# Altium PCB Copy of PCB2.PcbDoc
Units mil, origin at the board's own origin, x right, y up, seen from the top; angles counter-clockwise.
Board outline 4685.04 x 3464.57 mil, 2 copper layers (Top Layer, Bottom Layer); 50 components, 32 nets, 169 pads, 0 vias.
Unrouted connection lines stored in the file: 1.
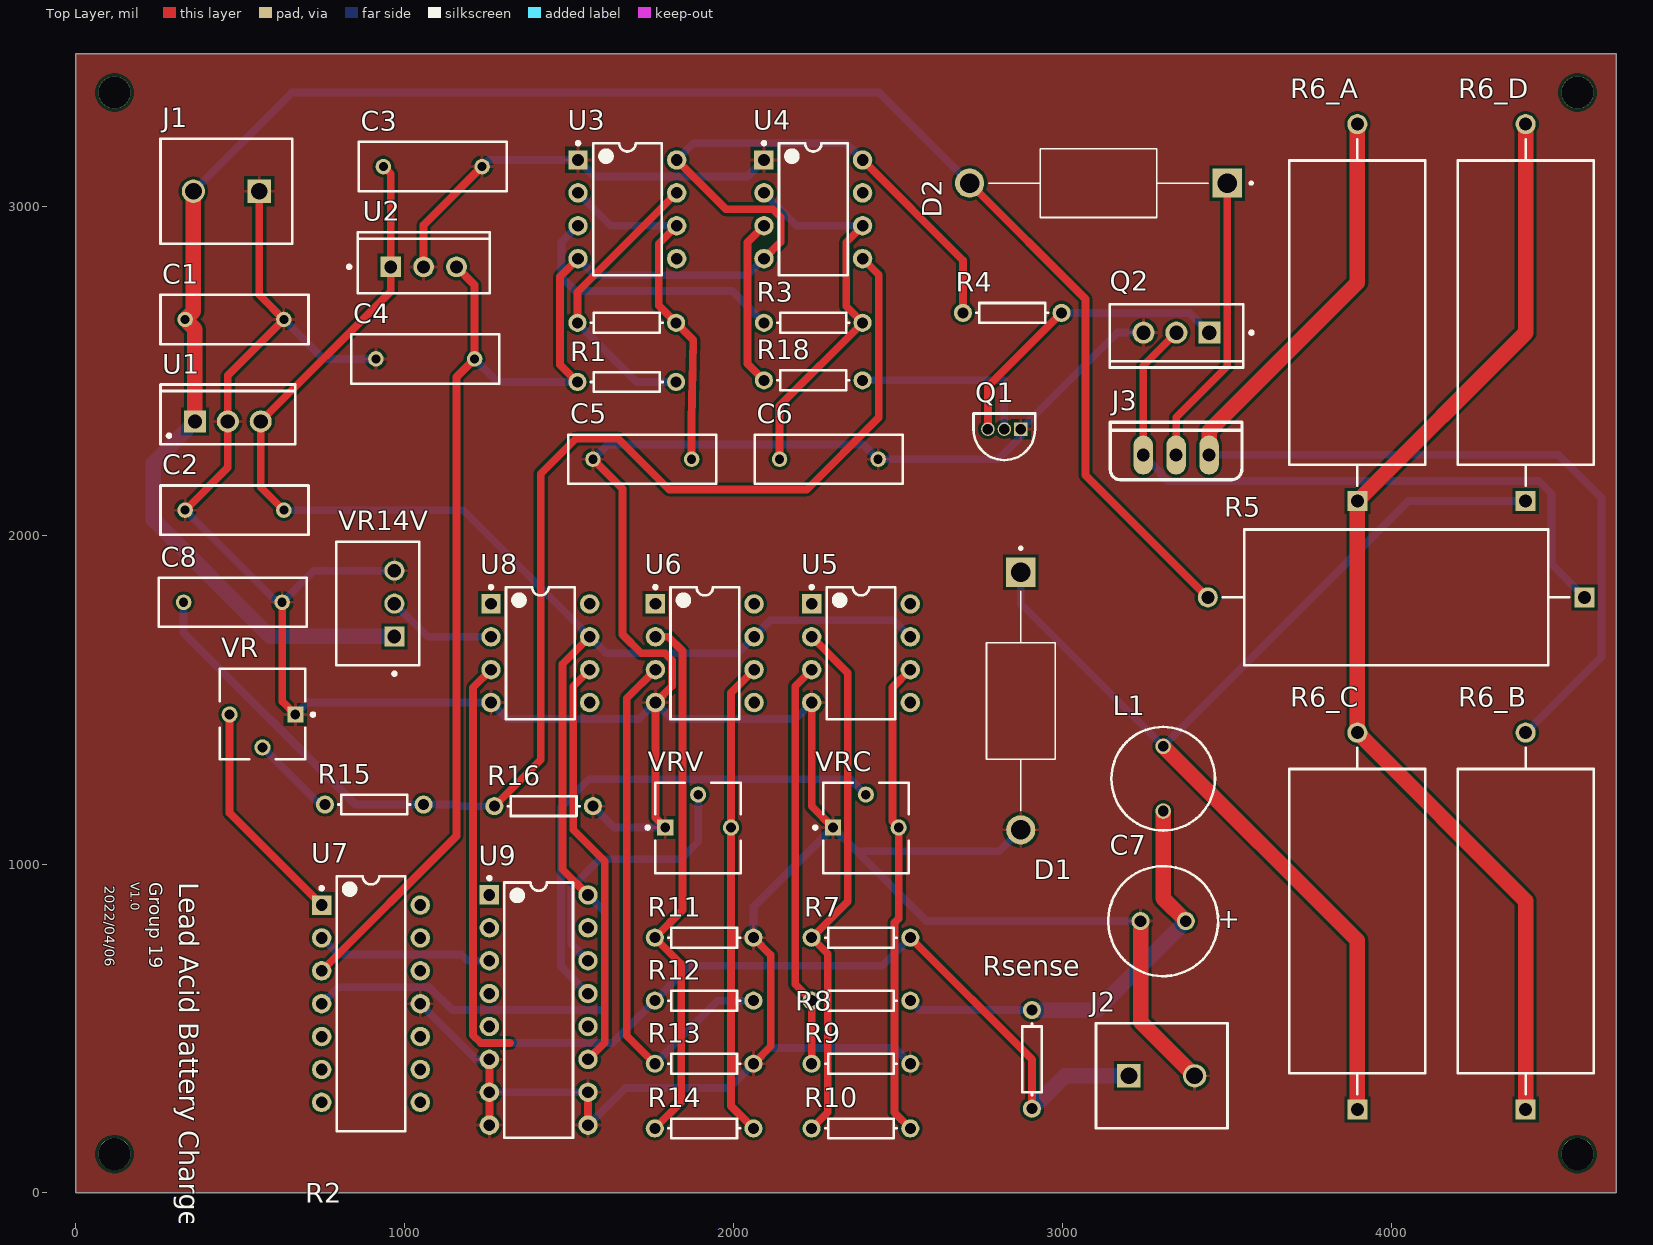
[diagram p0: Top Layer view]
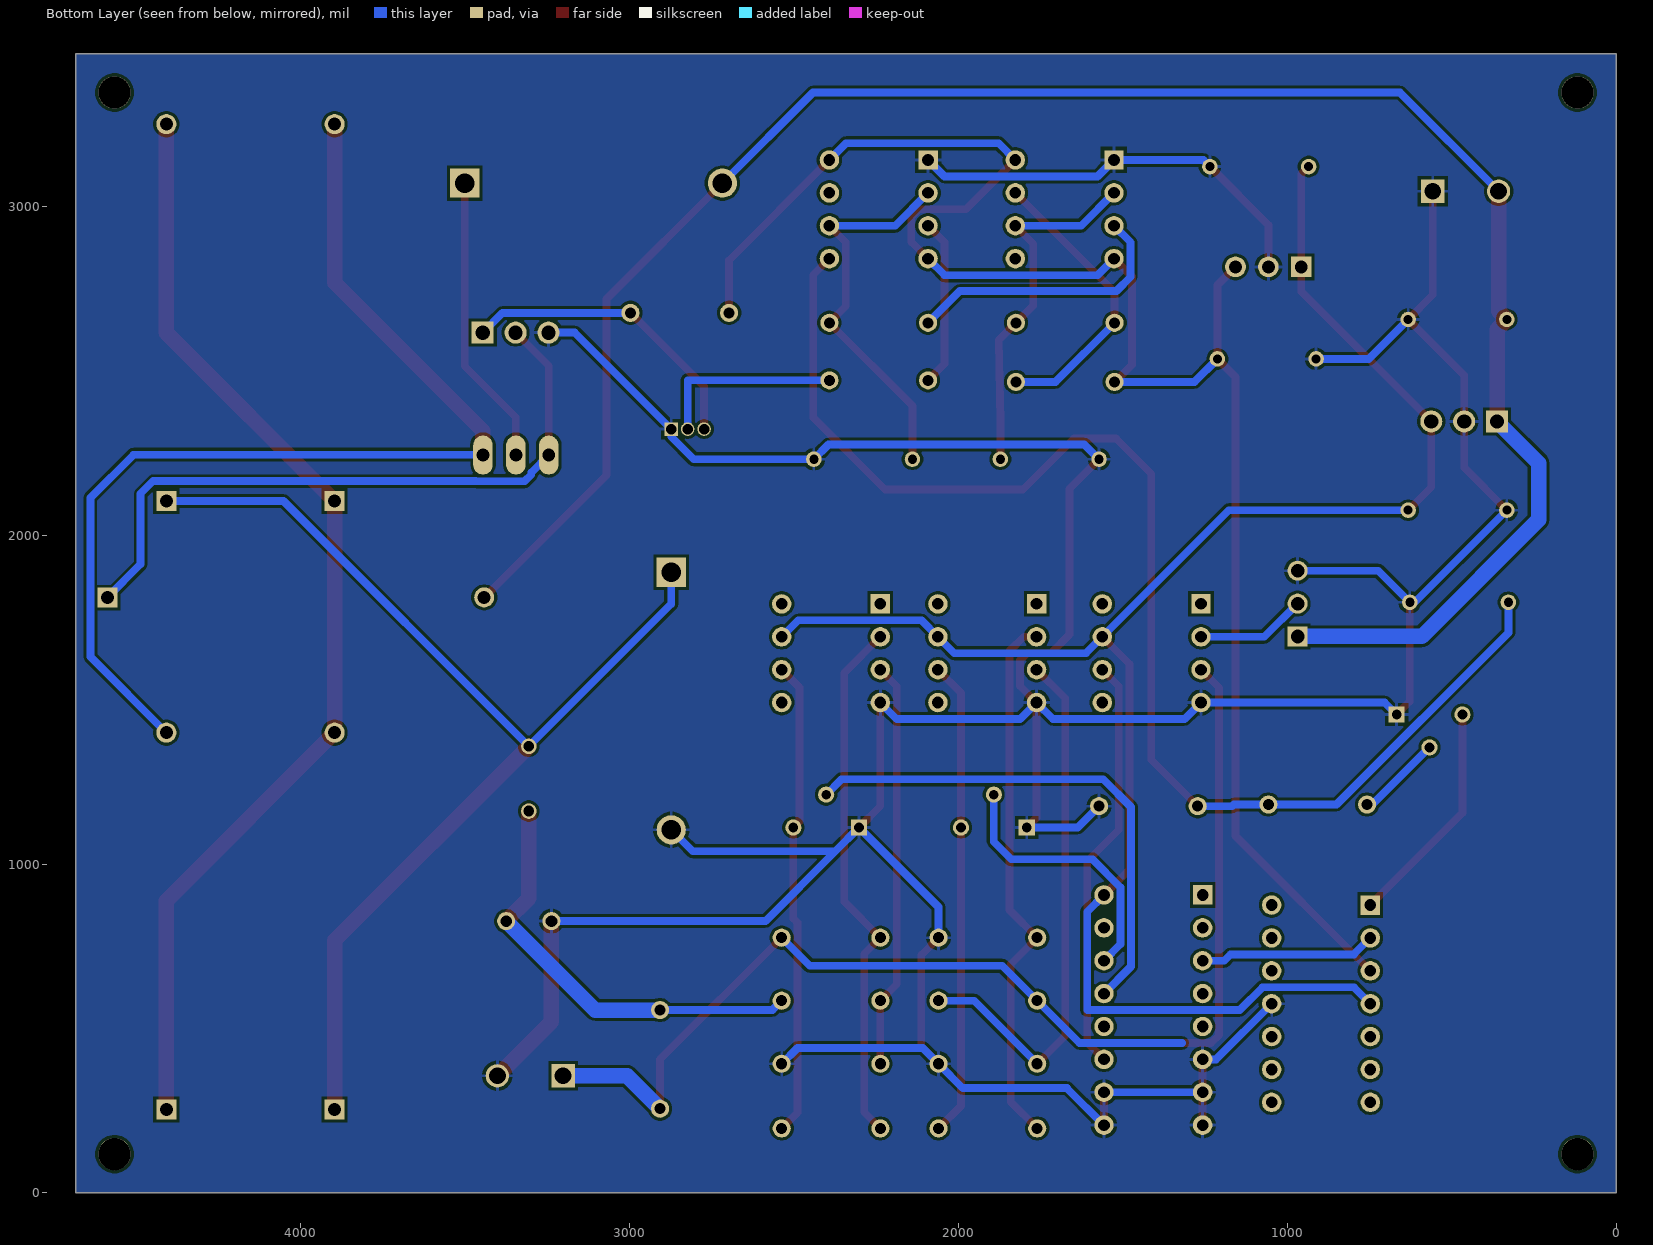
[diagram p1: Bottom Layer view, seen from below]

## Layer stack, top to bottom
Top Solder: solder mask 0.4, Solder Resist, Dk 3.5
Top Layer: signal copper 1.4
Dielectric 1: dielectric 12.6, FR-4, Dk 4.8
Bottom Layer: signal copper 1.4
Bottom Solder: solder mask 0.4, Solder Resist, Dk 3.5

## Board outline
0,0 0,3464.57 4685.04,3464.57 4685.04,0

## Design rules (kind name [scope] priority, off if disabled: settings)
Clearance [All] p1: gap=8.66 ignorepadtopadclearanceinfootprint=FALSE
Height [All] p1: minheight=0 maxheight=1259.84 prefheight=500
MinimumSolderMaskSliver [All] p1: minsoldermaskwidth=0.39
PolygonConnect [All] p1: connectstyle=Relief reliefconductorwidth=10 reliefentries=4 polygonreliefangle="90 Angle" airgapwidth=10
RoutingVias [All] p1: holewidth=28 width=50 viastyle="Through Hole" minholewidth=28 minwidth=50 maxholewidth=28 maxwidth=50
SilkToSolderMaskClearance [IsPad] p1: minsilkscreentomaskgap=3.94 clearancetoexposedcopper=TRUE
SolderMaskExpansion [All] p1: expansion=4 istentingtop=FALSE
Width [All] p1: maxlimit=47.24 minlimit=10 preferedwidth=23.62
27 further rules are at their usual default settings.

## Components (designator, comment, footprint, x,y, rotation, side; value= is the part's Value field where it differs from the comment)
C1 "Cap" RAD-0.3 483.03,2656.3 r180 top value=0.33uF
C2 "Cap" RAD-0.3 483.03,2076.3 r0 top value=0.1uF
C3 "Cap" RAD-0.3 1085.75,3121.3 r180 top value=0.33uF
C4 "Cap" RAD-0.3 1062.99,2536.3 r0 top value=0.1uF
C5 "Cap" RAD-0.3 1723.03,2231.3 r0 top value=220pF
C6 "Cap" RAD-0.3 2290.41,2231.3 r180 top value=22pF
C7 "220u" PNSC-ECA-1VM221-2 3307.09,826.77 r180 top
C8 "Cap" RAD-0.3 478.03,1796.3 r180 top value=22uF
D1 "1N5404" DIOAD1990W125L900D530 2874.02,1496.06 r270 top
D2 "1N5404" DIOAD1990W125L900D530 3110.24,3070.87 r180 top
J1 "1729128" PHOE-1729128-2_V 458.03,3046.3 r180 top
J2 "1729128" PHOE-1729128-2_V 3302.72,356.3 r0 top
J3 "IRFZ48N" TO-220 3346.46,2244.09 r0 top
L1 "744741101" WE-TI-LS 3307.09,1259.84 r270 top
Q1 "2N3904BU" FAIR-TO-92 2874.02,2322.83 r180 top
Q2 "TIP122" ONSC-TO-220-3-221A-09 3347.2,2616.3 r270 top
R1 "Res1" AXIAL-0.3 1675.65,2466.3 r180 top value=1K
R2 "Res1" AXIAL-0.3 1675.65,2646.3 r180 top value=15K
R3 "Res1" AXIAL-0.3 2243.03,2646.3 r180 top value=15K
R4 "Res1" AXIAL-0.3 2848.03,2676.3 r180 top value=100
R5 "100" FP-SQP500-MFG 4015.75,1811.02 r180 top value=1.2Ω
R6_A "10" FP-SQP500-MFG 3897.64,2677.17 r90 top value=1.2Ω
R6_B "10" FP-SQP500-MFG 4409.45,826.77 r90 top value=1.2Ω
R6_C "10" FP-SQP500-MFG 3897.64,826.77 r90 top value=1.2Ω
R6_D "10" FP-SQP500-MFG 4409.45,2677.17 r90 top value=1.2Ω
R7 "Res1" AXIAL-0.3 2388.03,776.3 r180 top value=2K
R8 "Res1" AXIAL-0.3 2388.03,584.63 r180 top value=2K
R9 "Res1" AXIAL-0.3 2388.03,392.97 r180 top value=100K
R10 "Res1" AXIAL-0.3 2388.03,196.3 r180 top value=100K
R11 "Res1" AXIAL-0.3 1911.06,776.3 r180 top value=5.6K
R12 "Res1" AXIAL-0.3 1911.06,584.63 r0 top value=5.6K
R13 "Res1" AXIAL-0.3 1911.06,392.97 r180 top value=2K
R14 "Res1" AXIAL-0.3 1911.06,196.3 r180 top value=2K
R15 "Res1" AXIAL-0.3 908.03,1181.3 r180 top value=100
R16 "Res1" AXIAL-0.3 1423.03,1176.3 r0 top value=1k
R18 "Res1" AXIAL-0.3 2243.03,2471.3 r180 top value=1K
Rsense "Res1" AXIAL-0.3 2908.03,406.3 r270 top value=0.1
U1 "L7812CV" TO220 462.76,2346.3 r0 top
U2 "LM7805CT" FAIR-TO-220-3 1058.03,2816.3 r90 top
U3 "NE555P" P0008A 1677.62,2991.3 r0 top
U4 "NE555P" P0008A 2243.03,2991.3 r0 top
U5 "LM741CN/NOPB" P0008A 2388.03,1641.3 r0 top
U6 "LM741CN/NOPB" P0008A 1913.03,1641.3 r0 top
U7 "TL074ACN" N0014A 898.03,575.59 r0 top
U8 "LM741CN/NOPB" P0008A 1413.03,1641.3 r0 top
U9 "CD4051BE" N0016A 1408.03,556.3 r0 top
VR "3362P-1-103LF" BOUR-3362P 568.03,1456.3 r180 top
VR14V "3299W-1-103LF" BOUR-3299W-3_V 918.54,1792.32 r90 top
VRC "3362P-1-103LF" BOUR-3362P 2402.8,1109.92 r0 top
VRV "3362P-1-103LF" BOUR-3362P 1892.89,1109.92 r0 top

## Footprints (in the part's own frame and the unit in brackets; to place one, negate y for a bottom-side part, rotate by r counter-clockwise, add the part's x,y. Pads: shape width x height; smd on the part's side, far side on the other; paste and mask are expansions set on the pad)
AXIAL-0.3 [mm] "Axial Device, Thru-Hole; 2 Leads; 0.3 in Pin Spacing"
  round 1.4 hole 0.85: 1(-3.81,0) 2(3.81,0)
  silkscreen extent -2.77,-0.76 2.77,0.76
BOUR-3299W-3_V [mm] "TH, 3-Leads, Body 9.53x6.4mm, Pitch 2.54mm"
  rect 1.55x1.55 hole 1.05: 1(-2.54,-1.29)
  round 1.55 hole 1.05: 2(0,-1.29) 3(2.54,-1.29)
  silkscreen extent -5.54,-3.2 4.76,3.2, body extent -4.78,-3.5 4.78,1.33, height 11.55
BOUR-3362P [mm] "THD, 3-Leads, Body 6.6x6.99mm, Pitch 2.54mm"
  rect 1.25x1.25 hole 0.75: 1(-2.54,0.035)
  round 1.25 hole 0.75: 2(0,2.575) 3(2.54,0.035)
  silkscreen extent -4.03,-3.49 3.3,3.5, body extent -3.3,-3.15 3.3,3.84, height 2.35
DIOAD1990W125L900D530 [mm]
  round 2.25 hole 1.5: A(9.95,0)
  rect 2.25x2.25 hole 1.5: C(-9.95,0)
  silkscreen extent -11.9,-2.65 8.47,2.65, body extent -8.43,-2.8 8.43,2.8, height 5.6
FAIR-TO-92 [mm] "TO, 3-Leads, Body Dia 4.79mm, Pitch 1.27mm"
  rect 1.05x1.05 hole 0.8 mask+0.05: 1(0,0)
  round 1.05 hole 0.8 mask+0.05: 2(1.27,0) 3(2.54,0)
  silkscreen extent -1.11,-1.21 3.65,2.4, body extent -0.77,-0.94 3.31,2.11, height 5.08
FAIR-TO-220-3 [mm] "FM, 3-Leads, Body 10.2x4.7mm, Pitch 2.54mm"
  rect 1.6x1.6 hole 1: 1(0,2.54)
  round 1.6 hole 1: 2(0,0) 3(0,-2.54)
  silkscreen extent -2.04,-5.1 2.66,5.87, body extent -2.04,-5.1 2.66,5.1, height 18.95
FP-SQP500-MFG [mm]
  rect 1.55x1.55 hole 1 paste-1000 mask+0: 1(-14.555,0)
  round 1.55 hole 1 paste-1000 mask+0: 2(14.555,0)
  silkscreen extent -13.38,-5.25 13.38,5.25, body extent -15.43,-5.35 15.43,5.35, height 0.25
N0014A [mm] "DIP, 14-Leads, Body 19.7x6.6mm, Pitch 2.54mm"
  rect 1.5x1.5 hole 0.9: 1(-3.81,7.62)
  round 1.5 hole 0.9: 2(-3.81,5.08) 3(-3.81,2.54) 4(-3.81,0) 5(-3.81,-2.54) 6(-3.81,-5.08) 7(-3.81,-7.62) 8(3.81,-7.62) 9(3.81,-5.08) 10(3.81,-2.54) 11(3.81,0) 12(3.81,2.54) 13(3.81,5.08) 14(3.81,7.62)
  silkscreen extent -3.93,-9.85 2.65,9.85, body extent -3.95,-9.76 3.95,9.92, height 5.77
N0016A [mm] "DIP, 16-Leads, Body 19.7x6.6mm, Pitch 2.54mm"
  rect 1.5x1.5 hole 0.9: 1(-3.81,8.89)
  round 1.5 hole 0.9: 2(-3.81,6.35) 3(-3.81,3.81) 4(-3.81,1.27) 5(-3.81,-1.27) 6(-3.81,-3.81) 7(-3.81,-6.35) 8(-3.81,-8.89) 9(3.81,-8.89) 10(3.81,-6.35) 11(3.81,-3.81) 12(3.81,-1.27) 13(3.81,1.27) 14(3.81,3.81) 15(3.81,6.35) 16(3.81,8.89)
  silkscreen extent -3.93,-9.85 2.65,10.31, body extent -5.46,-9.65 5.46,9.65, height 4.08
ONSC-TO-220-3-221A-09 [mm] "FM, 3-Leads, Body 10.3x4.85mm, Pitch 2.54mm"
  rect 1.7x1.7 hole 1.1: 1(0,2.54)
  round 1.7 hole 1.1: 2(0,0) 3(0,-2.54)
  silkscreen extent -2.21,-5.15 2.7,5.93, body extent -2.18,-5.15 2.67,5.15, height 19.85
P0008A [mm] "DIP, 8-Leads, Body 10.15x6.6mm, Pitch 2.54mm"
  rect 1.5x1.5 hole 0.9: 1(-3.81,3.81)
  round 1.5 hole 0.9: 2(-3.81,1.27) 3(-3.81,-1.27) 4(-3.81,-3.81) 5(3.81,-3.81) 6(3.81,-1.27) 7(3.81,1.27) 8(3.81,3.81)
  silkscreen extent -3.93,-5.1 2.65,5.23, body extent -4.1,-4.64 4.11,4.64, height 4.21
PHOE-1729128-2_V [mm] "Receptacle, 2-Leads, Body 8.1x10.16mm, Pitch 5.08mm"
  rect 1.8x1.8 hole 1.3: 1(-2.54,0)
  round 1.8 hole 1.3: 2(2.54,0)
  silkscreen extent -5.08,-4.05 5.08,4.05, body extent -5.65,-4.05 5.08,4.05, height 10.01
PNSC-ECA-1VM221-2 [mm] "THD, 2-Leads, Dia 8.5mm, Body Length 12.5mm, Pin Spacing 3.5mm"
  round 1.4 hole 0.9: 1(-1.75,0) 2(1.75,0)
  silkscreen extent -4.25,-4.25 4.25,4.25, body extent -4,-4 4,4, height 11.5
RAD-0.3 [mm] "Radial Cap, Thru-Hole; 2 Leads; 0.3 in Pin Spacing"
  round 1.2 hole 0.7: 1(-3.81,0) 2(3.81,0)
  silkscreen extent -5.72,-1.9 5.71,1.91
TO220 [mm] "TO, Thru-Hole, Vertical, Heatsink Mounted; 3 In-Line Leads; Pitch 2.54 mm"
  rect 1.7x1.7 hole 1.1: 1(-2.54,0)
  round 1.7 hole 1.1: 2(0,0) 3(2.54,0)
  silkscreen extent -5.2,-1.75 5.2,2.85, body extent -5.25,-1.8 5.25,2.9, height 19.7
TO-220 [mm]
  oval 1.508x3.016 hole 1: 1(-2.54,0) 2(0,0) 3(2.54,0)
  silkscreen extent -5.08,-1.91 5.08,2.54, body extent -5.08,-1.48 5.08,2.72, height 21.24
WE-TI-LS [mm] "THT Inductor, 2-Leads, Body 8.0 x 8.0 mm"
  round 1.2 hole 0.82: 1(-2.5,0) 2(2.5,0)
  silkscreen extent -4,-4 4,4, body extent -4.34,-4.33 4.36,4.36, height 11

## Part data
C1 C2 C3 C4 C5 C6 C8: "Capacitor", LatestRevisionDate=17-Jul-2002, LatestRevisionNote="Re-released for DXP Platform.", PackageDescription="Radial Cap, Thru-Hole; 2 Leads; 0.3 in Pin Spacing", PackageReference=RAD-0.3, Published=8-Jun-2000, Publisher="Altium Limited"
C7: library part CMP-2000-05311-1, "Aluminum Electrolytic Capacitor, 220 uF, +/- 20%, 35 V, -40 to 85 degC, 2-Pin THD, RoHS, Bulk", Capacitance=220µF, Case Size/Dimension=Ø8x11.5mm, Lifetime@Temperature=2000Hrs@85degC, Manufacturer=Panasonic, Operating Temp Range=-40to+85degC, Operating Temp-Max=85degC, Package Description="2-Pin Axial Lead, Dia 8 mm, Body Length 12.5 mm", Package Reference=ECA-1VM221, Rated Voltage=35V, Ripple Current=350mA, Datasheet URL=https://datasheet.ciiva.com/26341/441851-da-01-en-elko-eca1vm221-m-r-220myf-35v-85c-26341906.pdf, Datasheet Version=Mar-06, Manufacturer URL=http://www.panasonic.com/, Series=M, Type=Radial
D1 D2: library part 1N5404RL, Package=None, Availability=Unavailable, MF="{'manufacturer': u'ON Semiconductor'}", MP=1N5404RL, Price=None
J1 J2: library part CMP-2000-05815-1, "PCB Terminal Block, 13.5 A, 400 V, 2-Pin THD, RoHS, Bulk", Current Rating=13500mA, Manufacturer="Phoenix Contact", Package Description="2-Pin Through Hole Device, Body 8.1 x 10.16 mm, Pitch 5.08 mm", Package Reference=1729128-2, Package Version=03/2015, Voltage Rating=400V, Datasheet URL=https://datasheet.ciiva.com/16046/1729128-16046181.pdf, Datasheet Version=12/2013, Manufacturer URL=http://www.phoenixcontact.com/, Mounting Technology=ThroughHole, No. of Positions=2, No. of Rows=1, Orientation=Horizontal, Package URL=https://www.phoenixcontact.com/online/portal/pi/pxc/product_detail_page/!ut/p/b1/3VdJjqNKFDxLH8AFycySyWY2ozFsEPOMMQaDOX1XedGL_1Vdm5YXJleknhSKeBkvI6EA8ncAo3AYoDhBQGco6KN7VURTdemj9us_IEKEZo_YHiPAEWEFmDGOHMORkqKYCORBZxgL7ZoaZYcbFFUZ3fqxSY6GOuxydWUuHqz1ynmMFygu583Bob0Ewr6Sd_l-5m-kAueHiB0jpRwZwe58wwtkpxtMYd_LmGcDRU02dRNEyWt6Y2ti5pSyJ_reIkzIulrqApdnbT11V5jnCKbYNCvhEM1MCpPByat_X379-iThf08CI5GfOPqfBeS3BRoBOdD55AKVv0iLwCMq-2BrzXWSGRH7pUGD9uwXQjiph3xL0DKQwdGa0JImiIOmBNOestqgwTHSSs2oOep-78apyXQBvNi8ZLaFjvjWvcaUEBu0MC6Wbe-d6mB0FAebo2lUWinqYaZs5DAYzV0RP9yitUjnGJ0iI9xhZkT42OCQNUJJhkgWINNQLP2JFP6OpMg3JCVg70jqHT0lvKOnhHf0lPuOnnLf0VPuWx6_dxwUIvwk5WMkT0kLL1mh61l2yZVSzG3pYV_bqo-mj6uMKwKwdnnW8Jh5RTOJzMOA5c-eJDaZQw4mTMPH02PvS_ZAqNVjVTo2WyYLkwH_KU1mmmG5kjRhDqPXLwwVHvVOjCM60-fpXvTDfMGW1PVFVS1r4e4yVDk4ZdNbkUHvqPqQSeian4UD39fNKmachqdJ1NJbyk8rXT9mXTvPk3oE5meulKGgiruPJek-4I9hTT6G8ZLOyRSm2RRVbThERQad5OS28hdt4YW4vG0stgYYzsWsK4_7y6DZMjJSCqri1kyiZR5vD7pwIrNR7QwPHTcLTI5qT7eRlpHrdGiupYlqQDJ7zy_CND8fWWBoLRXxk1RVcXiBQwbTD4Xi7KL-FuO94t9xaqweXzH, Packing=Bulk, PartNumber=1729128, Pitch=5.08mm, RoHS=TRUE
J3: library part IRFZ44NPBF, Package=None, Availability=Unavailable, MF="{'manufacturer': u'Infineon'}", MP=IRFZ44NPBF, Price=None
L1: library part CMP-0225-00030-1, "Radial Leaded Wire Wound Inductor WE-TI, L = 100 µH", Inductance="100 ÂµH", ComponentLink1Description="Manufacturer Link", ComponentLink1URL=http://www.we-online.com, ComponentLink2Description=Datasheet, ComponentLink2URL=http://www.we-online.de/katalog/media/pdf/744741101.pdf, DatasheetVersion="ver 2, Nov-2004", PackageDescription="THT Inductor, 2-Leads, Body 8.0 x 8.0 mm", PackageReference=WE-TI-LS, PackageVersion=2004
Q1: library part CMP-2000-04944-1, "NPN General-Purpose Amplifier, 40 V VCEO, 0.2 A, -55 to 150 degC, 2-Pin TO-92, RoHS, Bulk", Manufacturer=FairchildSemiconductor, Maximum Collector Base Voltage=60V, Maximum Collector Emitter Saturation Voltage=0.2@1mA@10mA, Maximum Collector Emitter Voltage=40V, Maximum DC Collector Current=0.2A, Maximum Operating Frequency=300(Min)MHz, Maximum Power Dissipation=625mW, Minimum DC Current Gain=40@0.1mA@1V, Operating Temperature=-55to150degC, Package=3TO-92, Package Description="3-Pin Transistor Outline Package, Body Dia 4.79 mm, Pitch 1.27 mm", Package Reference=TO-92, Category=GPBJT, Datasheet URL=https://datasheet.ciiva.com/4722/2n3904-82270-4722369.pdf, Datasheet Version="Rev. 1.1.0, 10/2014", Manufacturer URL=https://www.fairchildsemi.com/, Mounting=ThroughHole, Packaging=Bulk, Pin Count=3, Rad Hard=No, Type=NPN
Q2: library part CMP-1047-00126-1, "Plastic Medium-Power, Complementary Silicon Transistor, 3-Pin TO-220, Tube", Manufacturer="On Semiconductor", ComponentLink1Description="Manufacturer URL", ComponentLink1URL=http://www.onsemi.com/, ComponentLink2Description=Datasheet, ComponentLink2URL=http://www.onsemi.cn/pub_link/Collateral/TIP120-D.PDF, ComponentLink3Description="Package Specification", ComponentLink3URL=http://www.onsemi.com/pub_link/Collateral/221A-09.PDF, DatasheetVersion="Rev. 8", IC Continuous (A)=5, Mounting Technology="Through Hole", PackageDescription="3-Pin Flange Mount, Vertical Straight Lead, Body 9.97 x 4.445 mm, Pitch 2.54 mm", PackageReference=TO-220-3-221A-09, PackageVersion="Rev. AG, 09/2011", Packing=Tube, PartNumber=TIP122, Polarity=NPN, RoHS=FALSE
R1 R2 R3 R4 R7 R8 R9 R10 R11 R12 R13 R14 R15 R16 R18 Rsense: "Resistor", LatestRevisionDate=17-Jul-2002, LatestRevisionNote="Re-released for DXP Platform.", PackageDescription="Axial Device, Thru-Hole; 2 Leads; 0.3 in Pin Spacing", PackageReference=AXIAL-0.3, Published=8-Jun-2000, Publisher="Altium Limited"
R5 R6_A R6_B R6_C R6_D: library part CMP-03413-000003-1, "RES 1.2 OHM 5W 5% AXIAL", Manufacturer=Yageo, Manufacturer Part Number=SQP500JB-1R2, Package=SQP500, Power Rating=5W, Resistance=1.2Ω, Temperature="-55°C to +155°C", Temperature Coefficient=300ppm/°C, Temperature Range High=+155°C, Temperature Range Low=-55°C, Tolerance=5%, Voltage Rating=350V, Automotive=No, Category=Res, ComponentLink2Description=Datasheet, ComponentLink2URL=https://datasheet.ciiva.com/2723/yageolr-sqpnsp-2013-2723111.pdf, Composition=Wirewound, Device Class L1="Passive Components", Device Class L2=Resistors, Device Class L3="Through-Hole Resistors", Digikey Description="RES 1.2 OHM 5W 5% AXIAL", Height=10mm, Ipc Land Pattern Name=RESAD2911W100L2350D1050, Lead Free=Yes, Octopart=https://octopart.com/sqp500jb-1r2-yageo-1162571, RoHS=TRUE, Series=SQP
U1: library part CMP-0244-00450-1, "Positive Voltage Regulator, 12V, 3-Pin TO-220", ComponentLink1Description="Manufacturer URL", ComponentLink1URL=http://www.st.com, ComponentLink2Description=Datasheet, ComponentLink2URL=http://www.st.com/internet/com/TECHNICAL_RESOURCES/TECHNICAL_LITERATURE/DATASHEET/CD00000444.pdf, ComponentLink3Description="Package Specification", ComponentLink3URL=http://www.st.com/internet/com/TECHNICAL_RESOURCES/TECHNICAL_LITERATURE/PACKAGE_INFORMATION/CD00004649.pdf, DatasheetVersion=16/11/2011, PackageDescription="TO, Thru-Hole, Vertical, Heatsink Mounted; 3 In-Line Leads; Pitch 2.54 mm", PackageReference=TO220, PackageVersion=ver3.0
U2: library part CMP-2000-04938-1, "Positive Voltage Regulator, 5 V, 1 A, -40 to 125 degC, 3-Pin TO-220, RoHS, Tube", Manufacturer=FairchildSemiconductor, Maximum Input Voltage=35V, Maximum Output Current=2.2(Typ)A, Maximum Quiescent Current=8mA, Operating Temperature=-40to125degC, Output Voltage=5V, Package=3TO-220AB, Package Description="3-Pin Through Hole Device, Body 10 x 4.5 mm, Pitch 2.54 mm", Package Reference=TO-220, Typical Dropout Voltage @ Current=2@1AV, Accuracy=±4%, Category=LinearRegulator, Datasheet URL=https://datasheet.ciiva.com/26904/lm7805ct-26904988.pdf, Datasheet Version=Aug-12, Line Regulation=100mV, Load Regulation=100mV, Manufacturer URL=https://www.fairchildsemi.com/, Mounting=ThroughHole, Number of Outputs=1, Output Type=Fixed, Package URL=https://www.fairchildsemi.com/package-drawings/TO/TO220B03.pdf, Packaging=Rail/Tube, Polarity=Positive, Rad Hard=No, Type=Linear
U3 U4: library part CMP-2000-04954-1, "Precision Timer, 4.5 to 16 V, 0 to 70 degC, 8-Pin DIP, Pb-Free, Tube", Manufacturer=TexasInstruments, Maximum High Level Output Current=-200mA, Maximum Low Level Output Current=200mA, Operating Supply Voltage=5, Package=8PDIP, Package Description="8-Pin Double In-line Package, Body 9.59 x 6.35 mm, Pitch 2.54 mm", Package Reference=P8, Category=Timer, Datasheet URL=http://www.ti.com/general/docs/lit/getliterature.tsp?genericPartNumber=NE555&fileType=pdf, Datasheet Version="Rev. I, 09/2014", Manufacturer URL=http://www.ti.com/, Number of Internal Timers=1, Package URL=http://www.ti.com/lit/ml/mpdi001b/mpdi001b.pdf, Packaging=Rail/Tube, Rad Hard=No, Type=Standard
U5 U6 U8: library part CMP-0055-00162-3, "Operational Amplifier, 8-pin MDIP, Pb-Free", Manufacturer="Texas Instruments", Package Reference=P0008A, PackageTopMarking=NSUZXYTTE#*LM*741CN, PowerWise=N, Code_JEDEC=MS-001-BA, ComponentLink1Description="Datasheet URL", ComponentLink1URL=http://www.ti.com/general/docs/lit/getliterature.tsp?genericPartNumber=LM741&fileType=pdf, CompType=Amplifiers, PackageDescription="MDIP, .365 x .250 x .130in, 8 Lead, .100in Pitch", PinCount=8, RoHS=Y
U7: library part CMP-0015-00134-2, "Low-Noise JFET-Input Operational Amplifier, 7 to 36 V, 0 to 70 degC, 14-pin DIP (N14), Pb-Free (RoHS)", Manufacturer="Texas Instruments", Rating=Catalog, Total Supply Voltage(Max)(+5V is 5, +/-5V is 10)=36, Total Supply Voltage(Min)(+5V is 5, +/-5V is 10)=7, CMRR(Min)(dB)=75, Code_JEDEC=MS-001, ComponentLink1Description="Manufacturer URL", ComponentLink1URL=http://www.ti.com/, ComponentLink2Description=Datasheet, ComponentLink2URL=http://www.ti.com/lit/ds/symlink/tl074a.pdf, ComponentLink3Description="Package Specification", ComponentLink3URL=http://www.ti.com/lit/ml/mpdi002c/mpdi002c.pdf, DatasheetVersion=SLOS080J, Eco-Plan="Pb-Free (RoHS)", GBW(Typ)(MHz)=3, IIB(Max)(pA)=200, Iq per channel(Max)(mA)=2.5, Mounting Technology="Through Hole", Number of Channels=4, Offset Drift(Typ)(uV/C)=18, PackageDescription="14-Pin Plastic In-Line, Body 19.305 x 6.35 mm, Pitch 2.54 mm", PackageReference=N0014A, PackageVersion="4040049/E, 12/2002", PartNumber=TL074ACN, Slew Rate(Typ)(V/us)=13, Sub Family="General Purpose Amplifier, High Supply Voltage Amplifier (>=30V)", Vio (25C)(Max)(mV)=6, Vn at 1kHz(Typ)(nV/rtHz)=18
U9: library part CMP-1575-00059-4, "CMOS Single 8-Channel Analog Multiplexer/Demultiplexer with Logic-Level Conversion, N0016A, TUBE", Generic Part Number=CD4051B, Manufacturer="Texas Instruments", Operating Temperature Range(C)="-55 to 125", Rating=Military, Bandwidth(Max)(MHz)=20, Code_JEDEC=MS-001, Configuration="1 X 1：8 MUX", Crosstalk=Yes, DatasheetVersion=SCHS047G, ICC(Typ)(mA)=0.00008, Output Drive (IOL/IOH)(Max)(mA)=1, Output Type=CMOS, PackageReference=N0016A, PackageVersion=http://www.ti.com/lit/ml/mpdi002c/mpdi002c.pdf, Ron(Max)(Ohms)=240, Ron(Typ)(Ohms)=125, VCC(Max)(V)=18, VCC(Min)(V)=5
VR VRC VRV: library part CMP-1747-00004-1, "Square Trimpot(R) Trimming Potentiometer, 10 KOhm, 300 V, -55 to 125 degC, 3-Pin THD, RoHS, Tube", Case Code (Imperial)=0612, Case Code (Metric)=1632, Case/Package=1206, Max Operating Temperature=125degC, Min Operating Temperature=-25degC, Package Quantity=5000, Power Rating="1 W", Resistance="50 mohm", Tolerance=1%, Voltage Rating="220 mV", ComponentLink1Description="Manufacturer URL", ComponentLink1URL=http://www.bourns.com/, ComponentLink2Description=Datasheet, ComponentLink2URL=http://www.bourns.com/docs/Product-Datasheets/3362.pdf, DatasheetVersion=May-16, Height="0.6 mm", Length="3.2 mm", Mount="Surface Mount", PackageDescription="3-Pin Through Hole Device, Body 6.6 x 6.99 mm, Pitch 2.54 mm", PackageReference=3326P, Packaging="Tape and Reel", Pins=2, REACH SVHC="No SVHC", RoHSCompliant=True, Width="1.6 mm"
VR14V: library part CMP-2000-05078-1, "Square Trimming Potentiometer, 10 KOhm, 500 mW, -55 to 125 degC, 3-Pin THD, RoHS, Tube", Manufacturer=Bourns, Operating Temperature Range=-55Cto+125C, Package Description="3-Pin Surface Mount Device, Body 9.53 x 6.1 mm, Pitch 2.54 mm", Package Reference=3299W, Power Rating=500mW(1/2W), Resistance=10kOhms, Temperature Coefficient=100PPM/C, Tolerance=10%, Voltage Rating=300V, Adjustment=TopCrossed, Brand=Bourns, Datasheet URL=https://datasheet.ciiva.com/19482/769696-19482212.pdf, Datasheet Version=Sep-04, Element Type=Cermet, Length=10.03mm, Manufacturer URL=http://www.bourns.com/, Mounting=PanelMount, Packaging=Tube, Product=Multiturn, Product Category=TrimmerResistors-ThroughHole, Product Type=SquareTrimmingPotentiometer, Qualification=Commercial, RoHS=True, Series=3299, Taper=Linear, Termination Style=Pin, Tradename=Trimpot, Type=Trimmers, Unit Weight=0.035000oz, Width=9.53mm

## Free pads (board coordinates)
  round 98.43 hole 98.43: 2(118.11,3346.46) 4(4566.93,118.11) 5(118.11,118.11) 6(4566.93,3346.46)

## Nets (pads, with @x,y where several pads share a name; then routed paths per layer and width w, separated by ;. In a path a pad name is that pad's centre, name@x,y a point inside that pad or via, vN(x,y) a via of type N, cw(c..) or ccw(c..) an arc to the next point about the centre after c; other vN are vias at no path point)
5V: C4.2 R1.2 R4.2 U2.3 U3.4 U3.8 U4.4 U4.8 U7.3 | length 5458.5
  Top Layer w23.62: U7.3 1158.03,1085.59 1158.03,2481.34 C4.2 1212.99,2761.34 U2.3 ; R1.2 1473,2518.95 1473,2786.68 U3.4 ; U3.8 1977.62,2991.3 2120,2991.3 2144,2967.3 2144,2892.27 U4.4 ; U4.8 2698.03,2836.3 R4.2
  Bottom Layer w23.62: C4.2 1282.99,2466.3 R1.2 ; U3.4 1577.92,2791 2042.73,2791 U4.4 ; U3.8 1878.32,3192 2342.33,3192 U4.8
12V: C2.2 C3.2 U1.3 U2.1 U5.7 U6.7 U7.4 U8.7 U9.16 | length 5527
  Top Layer w23.62: C2.2 562.76,2146.57 U1.3 958.03,2741.57 U2.1 958.03,3099.01 C3.2 ; U9.16 1480,984.33 1480,1608.27 U8.7
  Bottom Layer w23.62: C2.2 1178.03,2076.3 U8.7 1613.03,1641.3 2013.03,1641.3 U6.7 2113.03,1741.3 2488.03,1741.3 U5.7 ; U7.4 798.03,625.59 1075.71,625.59 1145,556.3 1608,556.3 1609,557.3 1609,855.33 U9.16
14V: U8.2 VR14V.2 | length 335.5
  Bottom Layer w23.62: VR14V.2 1070.35,1691.3 U8.2
30V: C1.2 D2.A J1.2 R5.2 U1.1 VR14V.1 | length 6113
  Top Layer w23.62: D2.A 3071,2718.37 3071,2182.74 R5.2
  Top Layer w47.24: J1.2 358.03,2681.29 C1.2 362.76,2626.57 U1.1
  Bottom Layer w23.62: J1.2 658.19,3346.46 2442.91,3346.46 D2.A
  Bottom Layer w47.24: U1.1 236.22,2219.76 236.22,2047.24 591.14,1692.32 VR14V.1
F: C8.2 R15.1 R16.1 U4.5 | length 4055.8
  Top Layer w23.62: R16.1 1414,1317.27 1414,2187 1521,2294 1650,2294 1805,2139 2223,2139 2442,2358 2442,2792.33 U4.5
  Bottom Layer w23.62: C8.2 328.03,1703.97 850.7,1181.3 R15.1 1163,1181.3 1168,1176.3 R16.1
F1: C7.1 L1.2 R8.1 Rsense.1 | length 1324.9
  Top Layer w47.24: L1.2 3307.09,895.67 C7.1
  Bottom Layer w23.62: R8.1 2566.37,556.3 Rsense.1
  Bottom Layer w47.24: Rsense.1 3105.51,556.3 C7.1
F2: J2.1 R7.1 R12.1 Rsense.2 U8.3 | length 3615.9
  Top Layer w23.62: U8.3 1208,1536.27 1208,480 1231.7,456.3 1320.7,456.3 ; R7.1 2908.03,406.3 Rsense.2
  Bottom Layer w23.62: 1320.7,456.3 1632.73,456.3 R12.1 1867.43,691 2452.73,691 R7.1
  Bottom Layer w47.24: Rsense.2 3008.03,356.3 J2.1
GND: C1.1 C2.1 C3.1 C4.1 C5.1 C6.1 C7.2 C8.1 D1.A J1.1 J2.2 Q1.1 Q2.3 R9.1 R11.1 R13.1 R16.2 U1.2 U2.2 U3.1 U4.1 U5.4 U6.4 U7.11 U8.4 U9.6 U9.7 U9.8 U9.9 U9.10 VR14V.3 VR.1 VRC.1 VRV.1 | length 14348.6
  Top Layer w23.62: C2.1 462.76,2206.02 U1.2 462.76,2486.02 C1.1 558.03,2731.3 J1.1 ; C8.1 628.03,1494.92 VR.1 ; U2.2 1058.03,2943.58 C3.1 ; U9.8 U9.7 U9.6 ; U9.9 U9.10 ; C5.1 1663,2141.33 1663,1698.3 1720,1641.3 1791.73,1641.3 1813.03,1620 1813.03,1541.3 U6.4 1763.03,1141.16 VRV.1 ; R13.1 2114,445.9 2114,723.36 R11.1 ; U5.4 2238.03,1176.06 VRC.1
  Top Layer w47.24: C7.2 3238.19,520.83 J2.2
  Bottom Layer w23.62: C2.1 613.03,1796.3 C8.1 724.06,1892.32 VR14V.3 ; C1.1 753.03,2536.3 C4.1 ; VR.1 704.41,1491.3 U8.4 1313.33,1441 1712.73,1441 U6.4 1813.33,1441 2187.73,1441 U5.4 ; U7.11 1217.32,406.3 U9.6 ; C3.1 1255.75,3141.3 U3.1 1577.62,3091.3 2043.03,3091.3 U4.1 ; U9.7 U9.10 ; U9.9 1670.73,319 1987.1,319 R13.1 2109.1,441 2490,441 R9.1 ; R16.2 1638.03,1111.3 VRV.1 ; C5.1 1617.73,2276 2395.71,2276 C6.1 2805.31,2231.3 2874.02,2300 Q1.1 3167.48,2616.3 Q2.3 ; R11.1 2061.06,869.57 VRC.1 2375.09,1039 ; D1.A 2808.69,1039 2375.09,1039 ; C7.2 2587.32,826.77 2375.09,1039
NetC5_2: C5.2 R2.1 U3.2 U3.6 | length 1117.6
  Top Layer w23.62: U3.6 1773,2886.68 1773,2698.95 R2.1 1878,2593.95 1873.03,2346.03 C5.2
  Bottom Layer w23.62: U3.2 1627.62,2941.3 U3.6
NetC6_2: C6.2 R3.1 U4.2 U4.6 | length 1197.5
  Top Layer w23.62: C6.2 2140.41,2393.68 R3.1 2343,2696.33 2343,2891.27 U4.6
  Bottom Layer w23.62: U4.2 2193.03,2941.3 U4.6
NetD1_C: D1.C L1.1 R6_C.1 R6_D.1 | length 3469.4
  Top Layer w47.24: L1.1 3897.64,767.72 R6_C.1
  Bottom Layer w23.62: D1.C 2874.02,1791.34 L1.1 4052.95,2104.13 R6_D.1
NetD2_C: D2.C J3.2 | length 891.2
  Top Layer w23.62: J3.2 3346.46,2358.46 3501.97,2513.97 D2.C
NetJ3_1: J3.1 Q2.2 R5.1 | length 2065.8
  Top Layer w23.62: J3.1 3246.46,2515.55 Q2.2
  Bottom Layer w23.62: J3.1 3300,2190.55 3300,2184.25 3320,2164.25 3467.23,2164.25 3468.33,2165.35 4448.82,2165.35 4488.19,2125.98 4488.19,1911.62 R5.1
NetJ3_3: J3.3 R6_A.2 R6_B.2 | length 3251.4
  Top Layer w47.24: J3.3 3446.46,2317.46 3897.64,2768.64 R6_A.2
  Bottom Layer w23.62: J3.3 3446.46,2245 4509,2245 4640,2114 4640,1630.36 R6_B.2
NetQ1_3: Q1.3 Q2.1 R4.1 | length 920.3
  Top Layer w23.62: Q1.3 2774.02,2452.28 R4.1
  Bottom Layer w23.62: R4.1 3387.21,2676.3 Q2.1
NetR1_1: R1.1 R2.2 U3.7 | length 894.6
  Top Layer w23.62: R2.2 1525.65,2739.33 U3.7
  Bottom Layer w23.62: R2.2 1705.65,2466.3 R1.1
NetR3_2: R3.2 U3.3 | length 850.2
  Bottom Layer w23.62: U3.3 1477,2890.68 1477,2786 1520,2743 1996.33,2743 R3.2
NetR6_A_1: R6_A.1 R6_B.1 R6_C.2 R6_D.2 | length 3420.5
  Top Layer w47.24: R6_B.1 4409.45,887.99 R6_C.2 R6_A.1 4409.45,2615.94 R6_D.2
NetR7_2: R7.2 R10.2 U5.2 | length 1626.7
  Top Layer w23.62: R10.2 2287,245.27 2287,727.33 R7.2 2348,886.27 2348,1581.33 U5.2
NetR8_2: R8.2 R9.2 U5.3 | length 1239.8
  Top Layer w23.62: R9.2 R8.2 2188,634.66 2188,1541.27 U5.3
NetR10_1: R10.1 U5.6 VRC.3 | length 1450.4
  Top Layer w23.62: R10.1 2490,244.33 2490,822.2 2502.8,835 VRC.3 2484,1130.09 2484,1537.27 U5.6
NetR11_2: R11.2 R14.2 U6.2 | length 1653.5
  Top Layer w23.62: R14.2 1841.38,276.61 1841.38,695.98 R11.2 1845.32,860.55 1845.32,1648.27 1802.28,1691.3 U6.2
NetR12_2: R12.2 R13.2 U6.3 | length 1649
  Top Layer w23.62: R13.2 1676,478.03 1676,1504.27 U6.3
  Bottom Layer w23.62: R13.2 1952.73,584.63 R12.2
NetR14_1: R14.1 U6.6 VRV.3 | length 1452.3
  Top Layer w23.62: R14.1 1992.89,264.47 VRV.3 1992.89,1521.16 U6.6
NetR15_2: R15.2 VR.2 | length 261.9
  Bottom Layer w23.62: VR.2 741.65,1181.3 R15.2
NetR18_2: R18.2 U4.3 | length 511.4
  Top Layer w23.62: R18.2 2043,2521.33 2043,2891.27 U4.3
NetU7_1: U7.1 VR.3 | length 695.3
  Top Layer w23.62: VR.3 468.03,1155.59 U7.1
OUT: Q1.2 R18.1 | length 579.3
  Bottom Layer w23.62: R18.1 2823.72,2471.3 2824.02,2471 Q1.2
P3: U7.2 U9.3 | length 538.7
  Bottom Layer w23.62: U7.2 798.03,725.59 1173,725.59 1192.29,706.3 U9.3
P11: U8.6 U9.11 | length 1266.6
  Top Layer w23.62: U9.11 1609,457.27 1609,1009 1513,1105 1513,1541.27 U8.6
P13: U9.13 VRC.2 | length 1582.8
  Bottom Layer w23.62: U9.13 1475.75,688.58 1475.75,1173.75 1560,1258 2356.09,1258 VRC.2
P14: U9.14 VRV.2 | length 829.8
  Bottom Layer w23.62: U9.14 1508.03,756.3 1508.03,930.03 1593,1015 1840,1015 1892.89,1067.89 VRV.2
pads on no net: U3.5 U4.7 U5.1 U5.5 U5.8 U6.1 U6.5 U6.8 U7.5 U7.6 U7.7 U7.8 U7.9 U7.10 U7.12 U7.13 U7.14 U8.1 U8.5 U8.8 U9.1 U9.2 U9.4 U9.5 U9.12 U9.15

## Polygon pours and split planes (outlines as drawn)
GND on Bottom Layer "GND_L02_P000" (solid, pour order 0): 0,3464.57 4685.04,3464.57 4685.04,0 0,0
GND on Top Layer "GND_L01_P001" (solid, pour order 1): 0,3464.57 4685.04,3464.57 4685.04,0 0,0

## Silkscreen, mask and mechanical layers (free items; w line width, h text height)
Top Overlay:
  text "V1.0" at 158.05,944.88 h47.24 r270
  text "Group 19" at 209.45,944.88 h70.87 r270
  text "Lead Acid Battery Charger" at 314.96,944.88 h60 r270
  text "2022/04/06" at 88.74,934.88 h31.5 r270
Board Shape:
  the board outline again, w23.62

## Text inside footprints (layer, text, board x,y; h text height)
C7: Top Overlay "+" at 3542.09,856.77 h60 r180